# Altium PCB BitDogLab V7.PcbDoc (part 2 of 2)
Units mm, origin at the board's own origin, x right, y up, seen from the top; angles counter-clockwise.
Board outline 90 x 98 mm, 2 copper layers (Top Layer, Bottom Layer); 93 components, 72 nets, 354 pads, 55 vias.
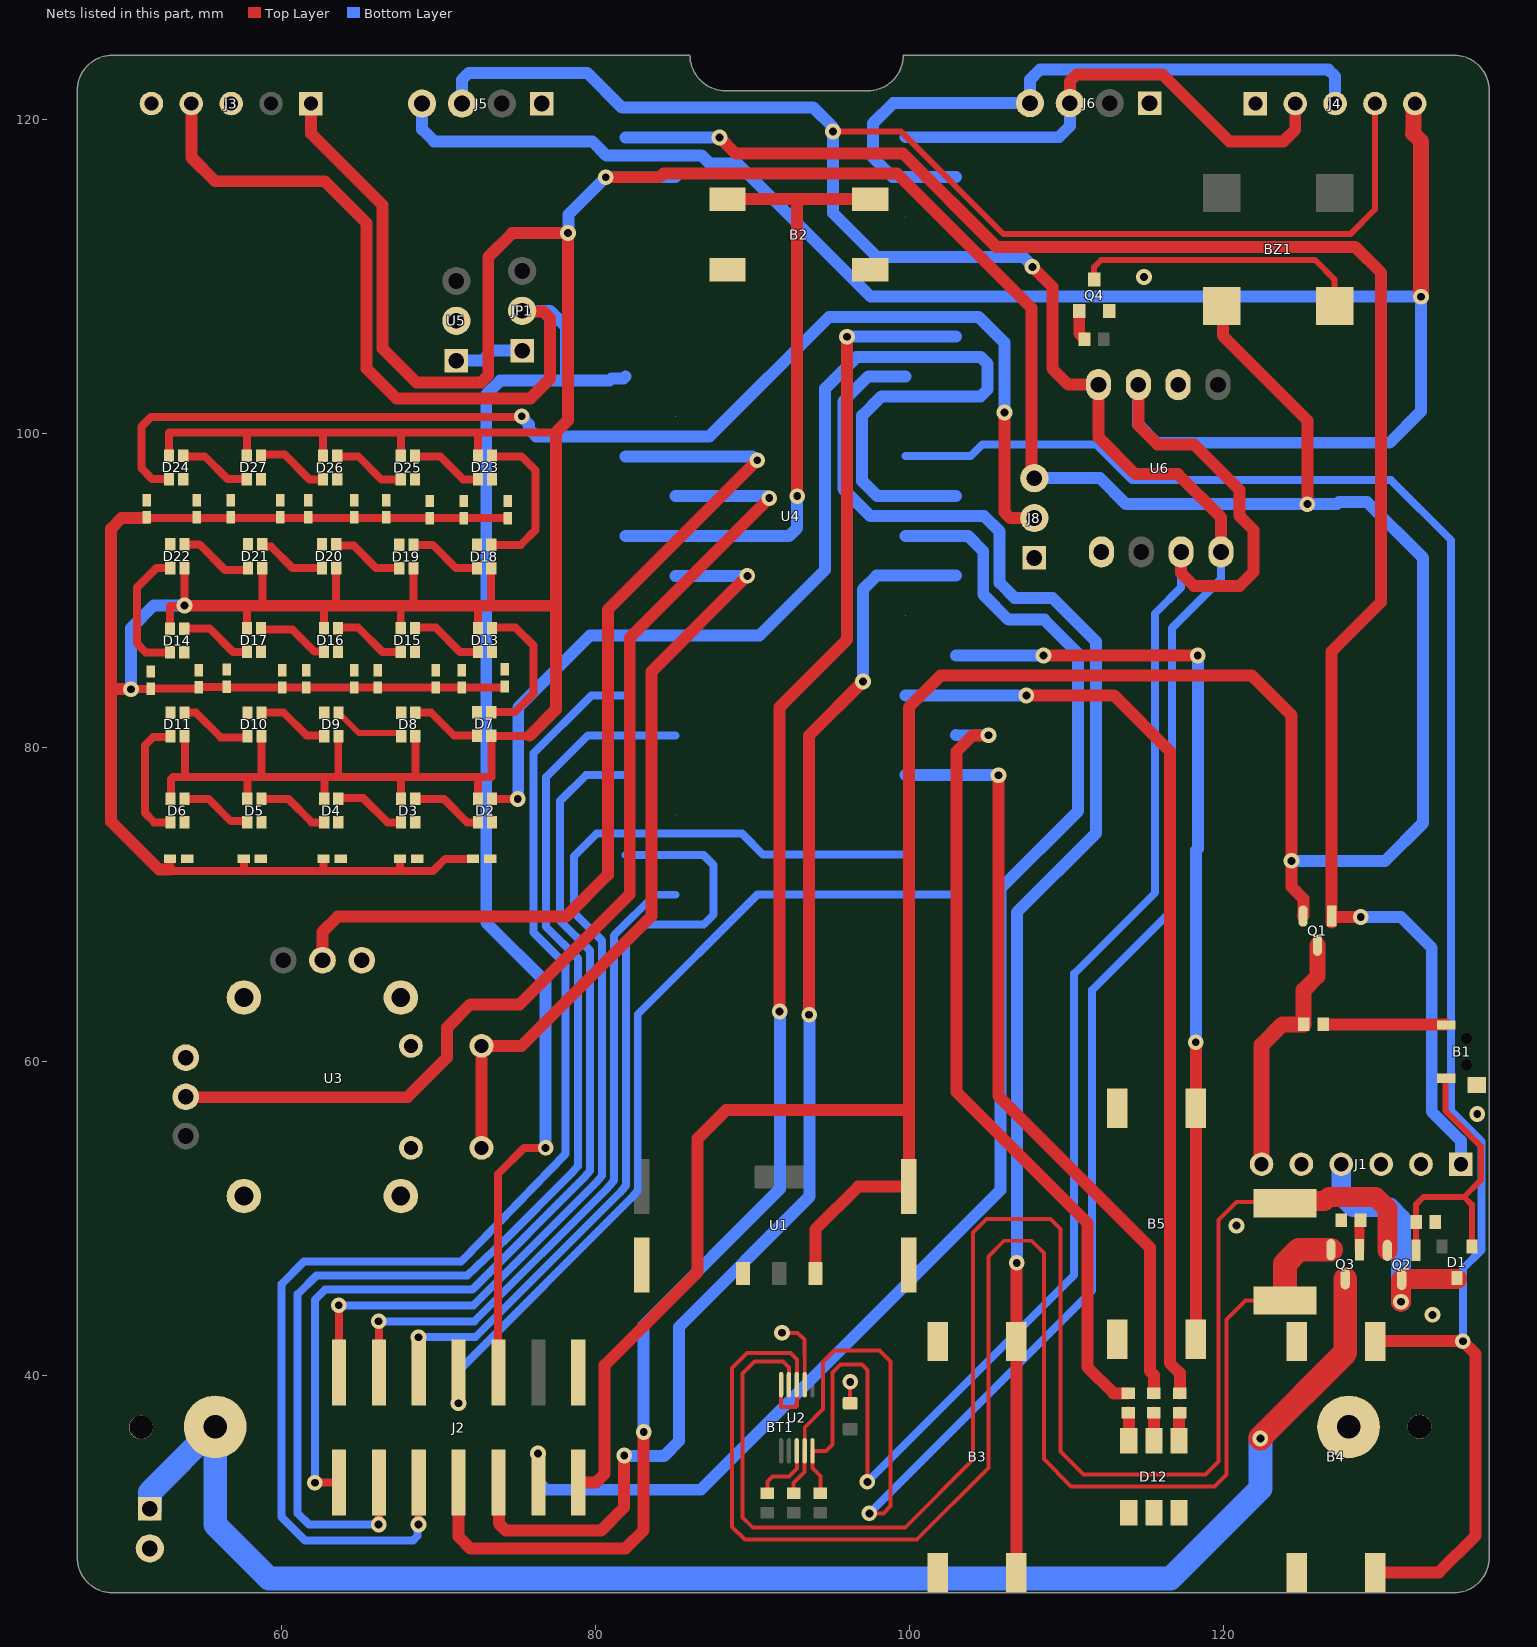
[diagram p2: the nets of this part, all layers, seen from the top]

## Via types
v1: diameter 1, hole 0.5, Top Layer to Bottom Layer, 54 vias
v2: diameter 12/12 (per signal layer), hole 11, Top Layer to Bottom Layer, 1 vias

## Nets (pads, with @x,y where several pads share a name; then routed paths per layer and width w, separated by ;. In a path a pad name is that pad's centre, name@x,y a point inside that pad or via, vN(x,y) a via of type N, cw(c..) or ccw(c..) an arc to the next point about the centre after c; other vN are vias at no path point) (continued)
GND: B1.3 B1.4 B2.1 B3.1 B4.1 B5.1 BT1.1 C1.2 C2.2 C3.2 C4.2 C5.2 C6.2 C7.2 C8.2 C9.2 C10.2 C11.2 C12.2 C13.2 C14.2 C15.2 C16.2 C17.2 C18.2 C19.2 C20.2 C21.2 C22.2 C23.2 C24.2 C25.2 C26.2 C27.2 C28.2 D2.3 D3.3 D4.3 D5.3 D6.3 D7.3 D8.3 D9.3 D10.3 D11.3 D12.1 D12.2 D12.3 D13.3 D14.3 D15.3 D16.3 D17.3 D18.3 D19.3 D20.3 D21.3 D22.3 D23.3 D24.3 D25.3 D26.3 D27.3 J1.2 J1.3 J1.5 J2.1 J3.3 J3.5 J4.1 J5.1 J6.1 J7.2 J8.1 Q4.2 R3.2 R4.1 U1.1 U2.7 U3.B2A U3.H1 U3.S1 U3.S2 U3.S3 U3.S4 U3.V1 U4.3 U4.8 U4.13 U4.18 U4.23 U4.28 U4.33 U4.38 U5.2 U6.1 | length 6.2
  Top Layer w0.254: C18.2@51.656,84.836 C18.2@51.708,84.783 ; C13.2@64.61,84.91 C13.2@64.684,84.836 ; C22.2@66.642,95.758 C22.2@66.694,95.705 ; C11.2@69.801,84.91 C11.2@69.853,84.857 ; v1(91.872,42.697) 92.872,42.697 93.304,42.266 93.304,41.266 93.32,41.25 U2.7@93.32,39.395 ; C8.2@96.215,38.201 v1(96.215,39.573)
  other v1: 133.325,43.84 120.828,49.53 136.169,56.642 114.935,109.982
GP0: J4.2 J6.3 U4.1 | length 31.9
  Top Layer w0.762: J6.3@110.211,121.056 110.211,122.439 110.657,122.885 116.103,122.885 120.371,118.618 123.825,118.618 124.576,119.369 J4.2@124.576,121.031
  Bottom Layer w0.762: U4.1@99.75,118.882 109.51,118.882 110.211,119.583 J6.3@110.211,121.056
GP01: J4.3 J6.4 U4.2 | length 41.6
  Bottom Layer w0.762: U4.2@102.955,116.342 98.923,116.342 97.663,117.602 97.663,119.761 98.958,121.056 J6.4@107.671,121.056 107.671,122.555 108.306,123.19 126.688,123.19 127.116,122.762 J4.3@127.116,121.031
GP04: J2.8 U4.6 | length 104.4
  Top Layer w0.762: J2.8@71.263,33.161 71.263,29.702 72.009,28.956 81.89,28.956 83.058,30.124 v1(83.058,36.373) ; v1(91.719,63.17) 91.719,82.575 96.012,86.868 v1(96.012,106.172)
  Bottom Layer w0.762: v1(83.058,36.373) 83.058,43.18 91.745,51.867 91.745,63.144 v1(91.719,63.17) ; v1(96.012,106.172) 96.017,106.177 102.949,106.177 U4.6@102.955,106.182
GP05: B3.2 U4.7 | length 93.7
  Top Layer w0.762: B3.2@106.807,27.432 B3.2@106.807,42.148 106.82,42.161 106.82,47.14 v1(106.833,47.153)
  Bottom Layer w0.762: U4.7@99.75,103.642 97.369,103.642 95.783,102.057 95.783,96.469 97.511,94.742 104.75,94.742 105.733,93.759 105.733,90.485 106.682,89.535 109.093,89.535 111.887,86.741 111.887,74.549 106.833,69.495 v1@106.833,47.117
GP06: B4.2 U4.9 | length 115.6
  Top Layer w0.762: B4.2@129.667,27.432 133.731,27.432 136.068,29.769 136.068,41.351 v1(135.255,42.164) 129.683,42.164 B4.2@129.667,42.148
  Bottom Layer w0.508: U4.9@99.75,98.562 103.896,98.562 104.648,99.314 111.887,99.314 114.173,97.028 130.683,97.028 134.509,93.202 134.509,56.829 136.449,54.889 136.449,47.981 135.255,46.787 v1(135.255,42.164)
GP08: J2.4 U4.11 | length 93.2
  Top Layer w0.762: v1(76.327,35.007) 76.335,34.999 76.335,33.169 J2.4@76.343,33.161
  Bottom Layer w0.762: v1(76.327,35.007) 76.327,33.212 76.842,32.698 86.698,32.698 105.782,51.782 105.782,70.984 110.744,75.946 110.744,85.979 108.585,88.138 106.299,88.138 104.693,89.744 104.693,92.512 103.723,93.482 U4.11@99.75,93.482
GP09: J2.6 U4.12 | length 84
  Top Layer w0.762: J2.6@73.803,33.161 73.83,33.133 73.83,30.545 74.277,30.099 80.34,30.099 81.813,31.572 v1(81.813,34.874) ; v1(93.599,62.967) 93.599,80.772 v1(97.028,84.201)
  Bottom Layer w0.762: v1@81.813,34.844 84.348,34.844 85.319,35.814 85.319,43.078 93.624,51.384 93.624,62.941 v1(93.599,62.967) ; v1(97.028,84.201) 97.028,90.073 97.897,90.942 U4.12@102.955,90.942
GP10: B5.2 U4.14 | length 59
  Top Layer w0.762: v1(108.535,85.857) 108.54,85.852 v1(118.364,85.852) ; B5.2@118.237,42.291 v1(118.237,61.214)
  Bottom Layer w0.762: U4.14@102.955,85.862 102.957,85.86 108.532,85.86 v1(108.535,85.857) ; v1(118.237,61.214) 118.237,73.447 118.364,73.574 v1(118.364,85.852)
GP14: J2.13 U4.19 | length 67.9
  Top Layer w0.508: v1(63.627,44.45) 63.635,44.442 63.635,40.169 J2.13@63.643,40.161
  Bottom Layer w0.508: v1(63.627,44.45) 72.202,44.45 80.013,52.261 80.391,52.709 80.391,67.691 78.613,69.469 78.613,73.066 80.061,74.515 89.315,74.515 90.668,73.162 U4.19@99.75,73.162
GP15: J2.7 U4.20 | length 54.9
  Top Layer w0.508: v1(71.255,38.207) 71.255,40.152 J2.7@71.263,40.161
  Bottom Layer w0.508: v1@71.247,38.194 71.247,40.262 82.299,51.314 82.677,51.762 82.677,62.992 90.307,70.622 U4.20@102.955,70.622
GP16: J2.11 U4.21 | length 42.6
  Top Layer w0.508: v1(66.167,43.434) 66.175,43.426 66.175,40.169 J2.11@66.183,40.161
  Bottom Layer w0.508: v1(66.167,43.434) 72.264,43.434 80.76,51.93 80.789,51.962 81.153,52.393 81.153,68.008 83.757,70.612 U4.21@85.09,70.612
GP17: J2.9 U4.22 | length 50.4
  Top Layer w0.508: v1(68.707,42.418) 68.715,42.41 68.715,40.169 J2.9@68.723,40.161
  Bottom Layer w0.508: v1(68.707,42.418) 72.326,42.418 81.537,51.63 81.915,52.077 81.915,67.693 82.929,68.707 86.868,68.707 87.503,69.342 87.503,72.517 86.868,73.152 U4.22@81.885,73.152
GP18: J2.14 U4.24 | length 63.3
  Top Layer w0.508: v1(62.103,33.147) 63.63,33.147 J2.14@63.643,33.161
  Bottom Layer w0.508: v1(62.103,33.147) 62.103,44.806 62.763,45.466 72.141,45.466 79.251,52.577 79.629,53.024 79.629,67.056 77.724,68.961 77.724,76.581 79.375,78.232 U4.24@81.885,78.232
GP19: J2.12 U4.25 | length 78.3
  Top Layer w0.508: v1(66.167,30.48) 66.175,30.488 66.175,33.152 J2.12@66.183,33.161
  Bottom Layer w0.508: v1(66.167,30.48) 61.722,30.48 61.011,31.191 61.011,45.161 62.205,46.355 71.825,46.355 74.087,48.489 78.489,52.892 78.489,52.895 78.867,53.34 78.867,66.548 76.835,68.58 76.835,78.105 79.502,80.772 U4.25@85.09,80.772
GP20: J2.10 U4.26 | length 83
  Top Layer w0.508: v1(68.707,30.48) 68.715,30.488 68.715,33.152 J2.10@68.723,33.161
  Bottom Layer w0.508: v1(68.707,30.48) 68.657,30.43 68.657,29.762 68.359,29.464 61.468,29.464 59.969,30.963 59.969,45.796 61.412,47.239 71.416,47.239 71.568,47.39 78.073,54.091 78.073,66.167 76.041,68.199 76.041,79.629 79.724,83.312 U4.26@81.885,83.312
GP28: J2.5 J3.4 JP1.2 U4.34 | length 126.2
  Top Layer w0.508: J2.5@73.787,40.484 73.787,52.832 75.438,54.483 v1(76.81,54.483)
  Top Layer w0.762: J3.4@54.24,121.031 54.24,117.591 55.753,116.078 62.738,116.078 65.405,113.411 65.405,104.14 67.298,102.247 75.843,102.247 77.089,103.493 77.089,107.343 76.643,107.789 JP1.2@75.135,107.789
  Bottom Layer w0.762: JP1.2@75.311,107.823 77.089,107.823 78.105,106.807 78.105,103.378 ; v1(76.81,54.483) 76.81,65.049 73.025,68.834 73.025,102.489 73.914,103.378 78.105,103.378 ; U4.34@81.885,103.632 81.756,103.503 80.992,103.503 80.867,103.378 78.105,103.378
Matriz: D2.4 U4.10 | length 74.5
  Top Layer w0.508: D2.4@73.396,76.727 73.405,76.718 75.023,76.718 v1(75.033,76.708)
  Bottom Layer w0.762: v1(75.033,76.708) 75.063,76.738 75.063,82.556 79.629,87.122 90.419,87.122 94.615,91.318 94.615,102.87 96.622,104.877 104.532,104.877 104.978,104.43 104.978,102.819 104.532,102.372 98.207,102.372 96.977,101.143 96.977,96.977 97.932,96.022 U4.10@102.955,96.022
NetB1_1: B1.1 R1.2 | length 7.7
  Top Layer w0.762: R1.2@126.505,62.357 B1.1@134.194,62.357
NetB1_2: B1.2 D1.1 Q2.1 R3.1 | length 18.2
  Top Layer w0.381: Q2.1@132.273,47.953 R3.1@132.273,49.515 ; R3.1@132.277,49.759 132.277,50.896 132.738,51.356 135.329,51.356 ; B1.2@134.143,58.832 134.143,56.84 136.398,54.585 136.398,52.426 135.329,51.356 ; D1.1@135.824,48.193 135.824,50.861 135.329,51.356
NetBT1_2: BT1.2 J7.1 Q3.3 | length 99.2
  Top Layer w1.524: v1(122.352,35.966) 122.352,36.017 127.762,41.427 Q3.3@127.762,46.139
  Bottom Layer w1.524: J7.1@51.587,31.496 51.587,32.537 BT1.2@55.753,36.703 55.753,30.48 59.182,27.051 116.637,27.051 122.352,32.766 v1(122.352,35.966)
NetBZ1_2: BZ1.2 Q4.3 | length 18.5
  Top Layer w0.381: Q4.3@111.76,109.811 111.76,110.617 112.204,111.061 125.838,111.061 127.09,109.809 BZ1.2@127.09,108.133
NetD1_3: D1.3 J1.4 Q2.3 | length 16.4
  Top Layer w1.27: v1(131.318,44.679) 131.318,46.059 Q2.3@131.358,46.099 ; Q2.3@131.572,46.124 134.867,46.124 D1.3@134.874,46.117
  Bottom Layer w1.27: J1.4@127.508,53.442 127.508,51.442 128.252,50.698 130.574,50.698 131.318,49.954 v1(131.318,44.679)
NetD2_1: D2.1 D3.4 | length 4.4
  Top Layer w0.508: D3.4@68.712,76.708 70.325,76.708 71.805,75.227 D2.1@72.496,75.227
NetD3_1: D3.1 D4.4 | length 4.5
  Top Layer w0.508: D4.4@63.783,76.777 65.175,76.777 66.725,75.227 D3.1@67.596,75.227
NetD4_1: D4.1 D5.4 | length 4.4
  Top Layer w0.508: D5.4@58.948,76.708 60.419,76.708 61.899,75.227 D4.1@62.696,75.227
NetD5_1: D5.1 D6.4 | length 4.4
  Top Layer w0.508: D6.4@54.05,76.708 55.339,76.708 56.748,75.298 57.725,75.298 D5.1@57.796,75.227
NetD6_1: D6.1 D11.4 | length 7.9
  Top Layer w0.508: D11.4@52.709,80.655 51.792,80.655 51.275,80.137 51.275,75.819 51.866,75.227 D6.1@52.896,75.227 ; D11.4@52.83,80.645 D11.4@52.901,80.716
NetD7_1: D7.1 D13.4 | length 9.1
  Top Layer w0.508: D7.1@73.339,82.243 74.844,82.243 76.04,83.439 76.04,86.487 74.897,87.63 D13.4@73.627,87.63
NetD7_4: D7.4 D8.1 | length 4.3
  Top Layer w0.508: D8.1@68.501,82.216 69.515,82.216 70.96,80.772 D7.4@72.23,80.772
NetD8_4: D8.4 D9.1 | length 4.7
  Top Layer w0.381: D9.1@63.601,82.216 63.601,82.141 63.736,82.007 63.811,82.007 64.899,80.918 67.467,80.918 67.601,80.783 D8.4@67.601,80.716
NetD9_4: D9.4 D10.1 | length 4.4
  Top Layer w0.508: D10.1@58.701,82.216 59.267,82.216 59.482,82.216 60.117,82.216 61.562,80.772 D9.4@62.512,80.772
NetD10_4: D10.4 D11.1 | length 4.4
  Top Layer w0.508: D11.1@53.801,82.216 54.529,82.216 56.101,80.645 D10.4@57.586,80.645
NetD12_4: D12.4 R9.2 | length 1.8
  Top Layer w0.762: R9.2@113.919,37.612 113.956,37.612 113.97,37.597 D12.4@113.97,35.814
NetD12_5: D12.5 R10.2 | length 1.8
  Top Layer w0.762: D12.5@115.57,35.814 R10.2@115.57,37.612
NetD12_6: D12.6 R11.2 | length 1.8
  Top Layer w0.762: D12.6@117.17,35.814 117.17,37.597 117.184,37.612 R11.2@117.221,37.612
NetD13_1: D13.1 D15.4 | length 4.5
  Top Layer w0.508: D15.4@68.663,87.639 68.672,87.63 69.817,87.63 71.359,86.088 D13.1@72.496,86.088
NetD14_1: D14.1 D22.4 | length 8.5
  Top Layer w0.508: D22.4@52.821,91.436 52.003,91.436 50.767,90.2 50.767,86.614 51.318,86.062 D14.1@52.881,86.062
NetD14_4: D14.4 D17.1 | length 4.4
  Top Layer w0.508: D14.4@53.976,87.571 55.398,87.571 56.879,86.089 D17.1@57.776,86.089
NetD15_1: D15.1 D16.4 | length 4.4
  Top Layer w0.508: D16.4@63.775,87.63 64.864,87.63 66.404,86.089 D15.1@67.576,86.089
NetD16_1: D16.1 D17.4 | length 4.1
  Top Layer w0.508: D17.4@58.895,87.503 60.673,87.503 62.07,86.106 D16.1@62.451,86.106
NetD18_1: D18.1 D23.4 | length 9.9
  Top Layer w0.508: D18.1@73.339,92.911 75.225,92.911 76.167,93.853 76.167,97.663 75.278,98.552 D23.4@73.627,98.552
NetD18_4: D18.4 D19.1 | length 4.4
  Top Layer w0.508: D19.1@68.386,92.911 69.615,92.911 71.087,91.44 D18.4@72.216,91.44
NetD19_4: D19.4 D20.1 | length 4.4
  Top Layer w0.508: D20.1@63.46,92.935 63.531,92.864 64.582,92.864 66.007,91.44 D19.4@67.277,91.44
NetD20_4: D20.4 D21.1 | length 4.3
  Top Layer w0.508: D21.1@58.745,92.935 58.745,92.86 58.816,92.789 59.323,92.789 60.677,91.436 D20.4@62.356,91.436
NetD21_4: D21.4 D22.1 | length 4.5
  Top Layer w0.508: D22.1@53.792,92.935 54.762,92.935 56.384,91.313 D21.4@57.625,91.313
NetD23_1: D23.1 D25.4 | length 4.4
  Top Layer w0.508: D25.4@68.674,98.552 70.071,98.552 71.535,97.088 D23.1@72.496,97.088
NetD24_1: D24.1 J8.2 | length 77.4
  Top Layer w0.508: D24.1@52.799,97.113 51.731,97.113 51.054,97.79 51.054,100.457 51.658,101.061 75.244,101.061 v1(75.283,101.1)
  Top Layer w0.762: v1(106.045,101.346) 106.045,94.996 106.426,94.615 J8.2@107.95,94.615
  Bottom Layer w0.762: v1(75.283,101.1) 75.283,101.036 75.754,100.565 75.754,100.268 76.2,99.822 87.249,99.822 94.869,107.442 104.394,107.442 106.045,105.791 v1(106.045,101.346)
NetD24_4: D24.4 D27.1 | length 4.4
  Top Layer w0.508: D24.4@53.942,98.552 55.085,98.552 56.54,97.097 D27.1@57.768,97.097
NetD25_1: D25.1 D26.4 | length 4.5
  Top Layer w0.508: D26.4@63.721,98.552 64.864,98.552 66.338,97.078 D25.1@67.579,97.078
NetD26_1: D26.1 D27.4 | length 4.4
  Top Layer w0.508: D27.4@58.899,98.679 60.165,98.679 61.766,97.078 D26.1@62.626,97.078
NetJ1_6: J1.6 Q1.3 R1.1 | length 16.2
  Top Layer w1.016: J1.6@122.428,53.442 122.428,61.036 123.749,62.357 R1.1@125.115,62.357 125.115,64.536 125.984,65.405 Q1.3@125.984,67.399
NetJP1_1: JP1.1 U5.1 | length 4.5
  Bottom Layer w0.762: U5.1@71.12,104.648 72.771,104.648 73.406,105.283 JP1.1@75.311,105.283
NetQ2_2: Q2.2 R2.2 U2.9 | length 105.8
  Top Layer w0.254: U2.9@92.304,39.599 92.304,40.488 91.923,40.869 90.119,40.869 89.357,40.107 89.357,30.937 90.018,30.277 99.695,30.277 104.038,34.62 104.038,49.098 104.902,49.962 108.991,49.962 109.626,49.327 109.626,35.128 111.074,33.68 118.868,33.68 119.685,34.497 119.685,49.886 120.828,51.029 124.002,51.029 R2.2@124.065,51.092
  Top Layer w1.27: R2.2@124.065,51.092 126.447,51.092 126.714,51.358 129.699,51.358 130.443,50.614 Q2.2@130.443,47.953
NetQ3_1: Q3.1 R4.2 | length 1.9
  Top Layer w0.635: Q3.1@128.677,47.993 128.677,49.741 128.733,49.797 R4.2@128.733,49.86
NetQ3_2: Q3.2 R2.1 U2.8 U2.10 | length 102.1
  Top Layer w0.254: U2.10@91.812,39.395 91.812,37.973 92.761,37.973 92.812,38.024 U2.8@92.812,39.395 92.812,40.996 92.405,41.402 89.637,41.402 88.697,40.462 88.697,30.328 89.51,29.515 100.457,29.515 105.029,34.087 105.029,47.574 106.02,48.565 107.772,48.565 108.56,47.777 108.56,34.646 110.287,32.918 119.431,32.918 120.193,33.68 120.193,43.536 121.411,44.754 R2.1@123.927,44.754
  Top Layer w1.524: R2.1@123.927,44.754 123.927,47.1 124.819,47.993 Q3.2@126.847,47.993
NetQ4_1: Q4.1 R5.1 | length 1.9
  Top Layer w0.762: Q4.1@110.81,107.811 110.81,106.372 111.145,106.038 R5.1@111.145,106.001
NetR8_2: R8.2 U2.3 | length 3.4
  Top Layer w0.254: R8.2@90.932,32.473 90.932,33.223 91.262,33.553 92.322,33.553 92.812,34.043 U2.3@92.812,34.468
RGB_B: R11.1 U4.15 | length 59.5
  Top Layer w0.762: v1(107.442,83.312) 113.03,83.312 116.586,79.756 116.586,40.767 117.221,40.132 R11.1@117.221,38.842
  Bottom Layer w0.762: U4.15@99.75,83.317 107.437,83.317 v1(107.442,83.312)
RGB_G: R9.1 U4.16 | length 50.5
  Top Layer w0.762: v1(105.029,80.772) 104.013,80.772 102.997,79.756 102.997,58.039 111.328,49.708 111.328,40.513 112.999,38.842 R9.1@113.919,38.842
  Bottom Layer w0.762: U4.16@102.955,80.782 102.96,80.777 105.024,80.777 v1(105.029,80.772)
RGB_R: R10.1 U4.17 | length 49.4
  Top Layer w0.762: v1(105.664,78.232) 105.664,57.785 115.316,48.133 115.316,40.259 115.57,40.005 R10.1@115.57,38.842
  Bottom Layer w0.762: U4.17@99.75,78.237 105.659,78.237 v1(105.664,78.232)
RUN: B2.2 U4.30 | length 41.2
  Top Layer w0.762: B2.2@88.392,114.935 92.837,114.935 ; v1(92.837,96.012) 92.837,114.935 ; B2.2@97.492,114.935 92.837,114.935
  Bottom Layer w0.762: U4.30@81.885,93.472 92.329,93.472 92.837,93.98 v1(92.837,96.012)
SCL: J4.5 J5.4 R6.2 U2.5 U4.5 U6.3 | length 220.6
  Top Layer w0.254: R6.2@94.31,32.467 94.31,33.579 93.812,34.077 U2.5@93.812,35.175 94.688,35.175 95.098,35.585 95.098,40.165 95.598,40.665 96.977,40.665 97.307,40.335 v1(97.307,33.198)
  Top Layer w0.762: U6.3@114.576,103.118 114.576,100.536 115.797,99.314 118.11,99.314 121.031,96.393 121.031,94.742 121.908,93.865 121.908,91.174 121.031,90.297 118.11,90.297 117.301,91.106 U6.3@117.301,92.383
  Top Layer w1.016: J4.5@132.196,121.031 132.103,120.938 132.103,119.149 132.08,119.126 132.588,118.618 v1(132.588,108.722)
  Bottom Layer w0.508: v1(97.307,33.198) 110.49,46.38 110.49,65.583 115.65,70.743 115.65,88.548 117.301,90.199 U6.3@117.301,92.456
  Bottom Layer w0.762: J5.4@68.933,121.031 68.933,119.388 69.703,118.618 79.778,118.618 80.675,117.721 86.749,117.721 87.249,117.221 89.027,117.221 97.526,108.722 U4.5@99.75,108.722 131.064,108.722 v1(132.588,108.722) 132.588,101.416 130.588,99.416 115.722,99.416 114.554,100.584 U6.3@114.554,103.168
SDA: J4.4 J5.3 R7.2 U2.4 U4.4 U6.4 | length 212.1
  Top Layer w0.254: R7.2@92.608,32.467 92.608,33.122 93.304,33.817 U2.4@93.304,35.175 ; U2.4@93.32,35.433 93.32,36.678 94.488,37.846 94.488,40.843 95.225,41.58 98.069,41.58 98.781,40.869 98.781,31.648 98.323,31.191 v1(97.434,31.191)
  Top Layer w0.381: v1(95.123,119.253) 99.441,119.253 105.982,112.712 128.079,112.712 129.656,114.289 J4.4@129.656,121.031
  Top Layer w0.762: v1(107.823,110.625) 109.093,109.355 109.093,104.14 110.115,103.118 U6.4@112.036,103.118 112.036,99.765 114.392,97.409 117.094,97.409 119.841,94.662 U6.4@119.841,92.456
  Bottom Layer w0.508: v1(97.434,31.191) 111.633,45.39 111.633,64.541 116.713,69.621 116.713,87.605 119.841,90.733 U6.4@119.841,92.456
  Bottom Layer w0.762: J5.3@71.473,120.896 J5.3@71.473,121.031 71.473,122.547 71.913,122.987 79.451,122.987 81.661,120.777 93.853,120.777 95.123,119.507 v1(95.123,119.253) 95.123,114.046 97.907,111.262 U4.4@102.955,111.262 102.96,111.257 107.253,111.257 107.823,110.688 v1(107.823,110.625)
sw: U3.B1A U4.29 | length 49.5
  Top Layer w0.762: U3.B1A@72.721,54.484 U3.B1A@72.721,60.984 75.284,60.984 83.566,69.266 83.566,84.836 v1(89.662,90.932)
  Bottom Layer w0.762: U4.29@85.09,90.932 v1(89.662,90.932)
VBUS: J1.1 Q1.1 U4.40 | length 116.2
  Top Layer w0.762: v1(87.884,118.872) 88.9,117.856 99.568,117.856 105.537,111.887 128.397,111.887 130.048,110.236 130.048,89.281 126.873,86.106 Q1.1@126.873,68.834 ; Q1.1@126.899,69.253 126.962,69.19 v1@128.688,69.19
  Bottom Layer w0.762: U4.40@81.885,118.872 v1(87.884,118.872) ; v1(128.753,69.19) 131.318,69.19 133.274,67.234 133.274,56.794 135.128,54.94 J1.1@135.128,53.442
vrx: U3.V2 U4.32 | length 60.4
  Top Layer w0.762: U3.V2@62.587,66.438 62.587,68.251 63.551,69.215 78.105,69.215 80.772,71.882 80.772,88.773 v1(90.297,98.298)
  Bottom Layer w0.762: U4.32@81.885,98.552 89.979,98.552 90.233,98.298 v1(90.297,98.298)
vry: U3.H2 U4.31 | length 69.7
  Top Layer w0.762: U3.H2@53.88,57.709 68.021,57.709 ; 68.021,57.734 70.536,60.249 70.536,62.154 72.009,63.627 75.159,63.627 82.169,70.637 82.169,86.995 v1(91.059,95.885)
  Bottom Layer w0.762: U4.31@85.09,96.012 90.868,96.012 90.995,95.885 v1(91.059,95.885)
VSYS: BZ1.1 C1.1 C3.1 C4.1 C5.1 C6.1 C7.1 C9.1 C10.1 C11.1 C12.1 C13.1 C14.1 C15.1 C16.1 C17.1 C18.1 C19.1 C20.1 C21.1 C22.1 C23.1 C24.1 C25.1 C26.1 C27.1 C28.1 D2.2 D3.2 D4.2 D5.2 D6.2 D7.2 D8.2 D9.2 D10.2 D11.2 D13.2 D14.2 D15.2 D16.2 D17.2 D18.2 D19.2 D20.2 D21.2 D22.2 D23.2 D24.2 D25.2 D26.2 D27.2 J2.2 J3.1 J8.3 Q1.2 U1.3 U4.39 | length 533.7
  Top Layer w0.508: v1(50.384,83.709) 51.619,83.709 C18.1@51.656,83.746 54.688,83.746 C17.1@54.688,83.862 ; C28.1@51.538,94.624 54.567,94.624 54.577,94.615 54.586,94.624 56.726,94.624 56.736,94.615 56.745,94.624 59.901,94.624 59.911,94.615 61.689,94.615 61.698,94.624 64.6,94.624 64.61,94.615 64.619,94.624 66.632,94.624 66.642,94.615 66.651,94.624 69.426,94.624 C21.1@69.436,94.615 C20.1@71.595,94.615 C19.1@74.389,94.615 ; D24.2@52.815,98.597 52.815,100.06 52.799,100.076 57.752,100.076 ; C7.1@52.874,72.901 52.874,72.233 52.984,72.123 57.464,72.123 57.573,72.233 ; D14.2@52.881,87.562 52.881,89.027 53.815,89.027 v1(53.792,89.049) D22.2@53.792,91.435 ; D6.2@52.926,76.727 52.926,77.978 ; 53.053,78.105 53.815,78.105 ; D11.2@53.815,80.703 53.815,78.105 ; C17.1@54.704,83.836 56.445,83.836 C16.1@56.482,83.873 56.534,83.82 C15.1@60.038,83.82 C14.1@61.562,83.82 C13.1@64.61,83.82 C12.1@66.118,83.82 C11.1@69.801,83.82 C10.1@71.468,83.82 C9.1@74.198,83.82 ; C6.1@57.573,72.901 57.573,72.233 ; D27.2@57.768,98.597 57.768,100.06 57.752,100.076 ; D17.2@57.776,87.589 57.776,88.939 ; D5.2@57.796,76.727 57.796,78.105 ; D10.2@58.701,80.716 58.701,78.105 ; 58.768,89.027 D21.2@58.768,91.435 ; 62.578,89.027 62.676,88.928 D16.2@62.676,87.589 ; D26.2@62.626,98.578 62.626,100.027 62.578,100.076 ; C5.1@62.653,72.901 62.653,72.233 ; D4.2@62.705,76.727 62.705,78.105 ; D20.2@63.46,91.435 63.46,89.034 63.467,89.027 ; D9.2@63.594,80.708 63.594,78.105 ; C4.1@67.531,72.901 67.531,72.233 ; 67.531,89.027 67.576,88.981 D15.2@67.576,87.589 ; D25.2@67.579,98.578 67.579,100.027 67.531,100.076 ; D3.2@67.596,76.727 67.596,78.105 ; D19.2@68.386,91.411 68.386,89.06 68.42,89.027 ; D8.2@68.501,80.716 68.501,78.105 ; C3.1@72.23,72.901 C3.1@72.178,72.901 70.415,72.901 69.637,72.123 67.64,72.123 67.531,72.233 ; D2.2@72.484,76.727 72.484,78.105 ; 72.484,89.027 72.496,89.015 D13.2@72.496,87.588 ; D23.2@72.484,98.588 72.484,100.076 ; D7.2@73.339,80.743 75.79,80.743 ; 73.339,89.027 D18.2@73.339,91.411 ; D7.2@73.373,80.71 73.373,78.105 72.484,78.105 ; 77.47,100.076 67.531,100.076 ; 53.815,78.105 57.796,78.105 ; 57.573,72.233 57.683,72.123 62.544,72.123 62.653,72.233 ; 57.752,100.076 62.578,100.076 ; 57.796,78.105 58.701,78.105 ; 58.701,78.105 62.705,78.105 ; 62.578,100.076 67.531,100.076 ; 62.653,72.233 62.763,72.123 67.421,72.123 67.531,72.233 ; 62.705,78.105 63.594,78.105 ; 63.594,78.105 67.596,78.105 ; 67.596,78.105 68.501,78.105 ; 68.501,78.105 72.484,78.105
  Top Layer w0.762: 49.149,83.709 v1(50.384,83.709) ; C28.1@51.418,94.624 49.793,94.624 49.116,93.947 49.116,75.273 52.156,72.233 52.874,72.233 ; v1@53.815,89.027 58.768,89.027 62.578,89.027 63.467,89.027 67.531,89.027 68.42,89.027 72.484,89.027 73.339,89.027 77.47,89.027 ; J3.1@61.86,121.031 61.86,119.115 66.421,114.554 66.421,105.41 68.568,103.263 72.706,103.263 73.152,103.709 73.152,111.252 74.676,112.776 v1(78.232,112.776) 78.232,100.838 77.47,100.076 77.47,89.027 ; 75.79,80.743 77.47,82.423 77.47,89.027 ; J2.2@78.883,33.161 78.889,33.167 80.03,33.167 80.569,33.706 80.569,40.64 86.487,46.558 86.487,55.067 88.315,56.895 99.949,56.895 ; v1(80.637,116.332) 84.074,116.332 84.328,116.586 99.187,116.586 107.758,108.015 107.758,97.347 J8.3@107.95,97.155 ; U1.3@93.994,46.478 93.994,49.29 96.721,52.017 C1.1@99.949,52.017 99.949,56.895 ; BZ1.1@119.89,108.133 119.957,108.066 119.957,106.236 125.349,100.844 v1(125.349,95.504) ; Q1.2@125.069,69.253 125.095,69.279 125.095,70.358 124.333,71.12 v1(124.333,72.771) 124.333,82.042 121.793,84.582 101.981,84.582 99.949,82.55 99.949,56.895
  Bottom Layer w0.762: v1(50.384,83.709) 50.384,87.595 51.838,89.049 v1(53.792,89.049) ; v1(78.232,112.776) 78.278,112.822 78.278,113.973 v1(80.637,116.332) U4.39@85.09,116.332 ; J8.3@107.95,97.155 112.141,97.155 113.792,95.504 v1(125.349,95.504) 127.223,95.504 127.35,95.631 129.159,95.631 132.715,92.075 132.715,75.184 130.302,72.771 v1(124.333,72.771)
pads on no net: B1.5 B1.6 BZ1.3 BZ1.4 D1.2 JP1.3 U2.1 U2.2 U4.37
copper on no net:
  other v2: 58.293,107.569

## Polygon pours and split planes (outlines as drawn)
GND on Top Layer "GND_L01_P000" (solid, pour order 0): 46.948,28.407 46.948,121.835 cw(c49.234,121.835) 49.234,124.121 86.006,124.121 ccw(c88.292,124.121) 88.292,121.835 97.318,121.835 ccw(c97.318,124.121) 99.604,124.121 134.662,124.121 cw(c134.662,121.835) 136.948,121.835 136.948,28.407 cw(c134.662,28.407) 134.662,26.121 49.234,26.121 cw(c49.234,28.407)
GND on Bottom Layer "GND_L02_P001" (solid, pour order 1): 46.948,28.407 46.948,121.835 cw(c49.234,121.835) 49.234,124.121 86.006,124.121 ccw(c88.292,124.121) 88.292,121.835 97.318,121.835 ccw(c97.318,124.121) 99.604,124.121 134.662,124.121 cw(c134.662,121.835) 136.948,121.835 136.948,28.407 cw(c134.662,28.407) 134.662,26.121 49.234,26.121 cw(c49.234,28.407)

## Keep-outs
Keep-Out Layer:
  lines w0.013: 0.006,138.52 ccw(c-10.801,3321.874) 0.172,138.521 cw(c-10.801,3321.874) 0.006,138.52 ; 194.41,29.343 cw(c1956.317,25.354) 194.41,29.393 ccw(c1956.317,25.354) 194.41,29.343 ; 284.81,133.915 cw(c288.848,-1627.992) 284.859,133.915 ccw(c288.848,-1627.992) 284.81,133.915

## Silkscreen, mask and mechanical layers (free items; w line width, h text height)
Top Overlay:
  drawing of 28 lines, arcs and shapes, not listed
  text "SCL SDA 3V3 GND I2C 0" at 105.334,117.043 h0.76
  text "SCL SDA 3V3 GND I2C 1" at 66.904,116.992 h0.76
  text "RX  TX     UART 0" at 105.461,115.9 h0.76
  text "Reset" at 87.503,105.918 h2.29
  text "4" at 49.022,97.155 h1.27
  text "3" at 49.022,91.44 h1.27
  text "2" at 49.022,86.106 h1.27
  text "1" at 49.149,80.772 h1.27
  text "Escola 4.0" at 80.772,79.535 h3
  text "0" at 49.022,75.438 h1.27
  text "0" at 52.959,70.485 h1.27
  text "BitDogLab" at 78.105,70.485 h4.32
  text "V 7" at 78.361,70.485 h2.54
  text "1" at 57.912,70.358 h1.27
  text "2" at 62.738,70.358 h1.27
  text "3" at 67.691,70.358 h1.27
  text "4" at 72.263,70.231 h1.27
  text "ON" at 136.533,68.953 h2 r90
  text "OFF" at 136.127,52.722 h2 r90
  text "www.bitdoglab.org" at 49.921,40.259 h4 r90
  text "-" at 133.833,32.284 h3.81
  text "+" at 54.432,30.252 h3.81
  text "GP14 GP16 GP17 GP15 GP28 3V3 GND" at 59.487,29.007 h0.75
  text "GP18 GP19 GP20 GP4 GP9 GP8 5V" at 59.487,26.975 h0.81
  text "-" at 54.458,26.569 h3.81
Bottom Overlay:
  drawing of 162 lines, arcs and shapes, not listed
  text "MIC" at 77.114,109.068 h1.02 r270
  text "5V" at 112.065,96.723 h1.02
  text "Dout" at 113.081,94.31 h1.02
  text "GND" at 112.446,90.373 h1.02
  text "BSB - SATE - JUN/2025" at 48.158,62.789 h1.27 r270
  text "-" at 132.817,42.876 h3.81
  text "+" at 48.641,42.596 h3.81
Mechanical 1:
  the board outline again, w0.102

## Text inside footprints (layer, text, board x,y; h text height)
BZ1: Top Overlay "+" at 122.49,109.233 h2.03 r90
J1: Bottom Overlay "BT" at 134.525,70.563 h1.52 r270; Bottom Overlay "IP5306" at 128.709,59.758 h1.52 r270
U5: Top Overlay "MAX4466" at 65.913,112.014 h1.52 r270